# Altium PCB LimePSB-RPCM_1v2.PcbDoc (part 6 of 10) (continued)
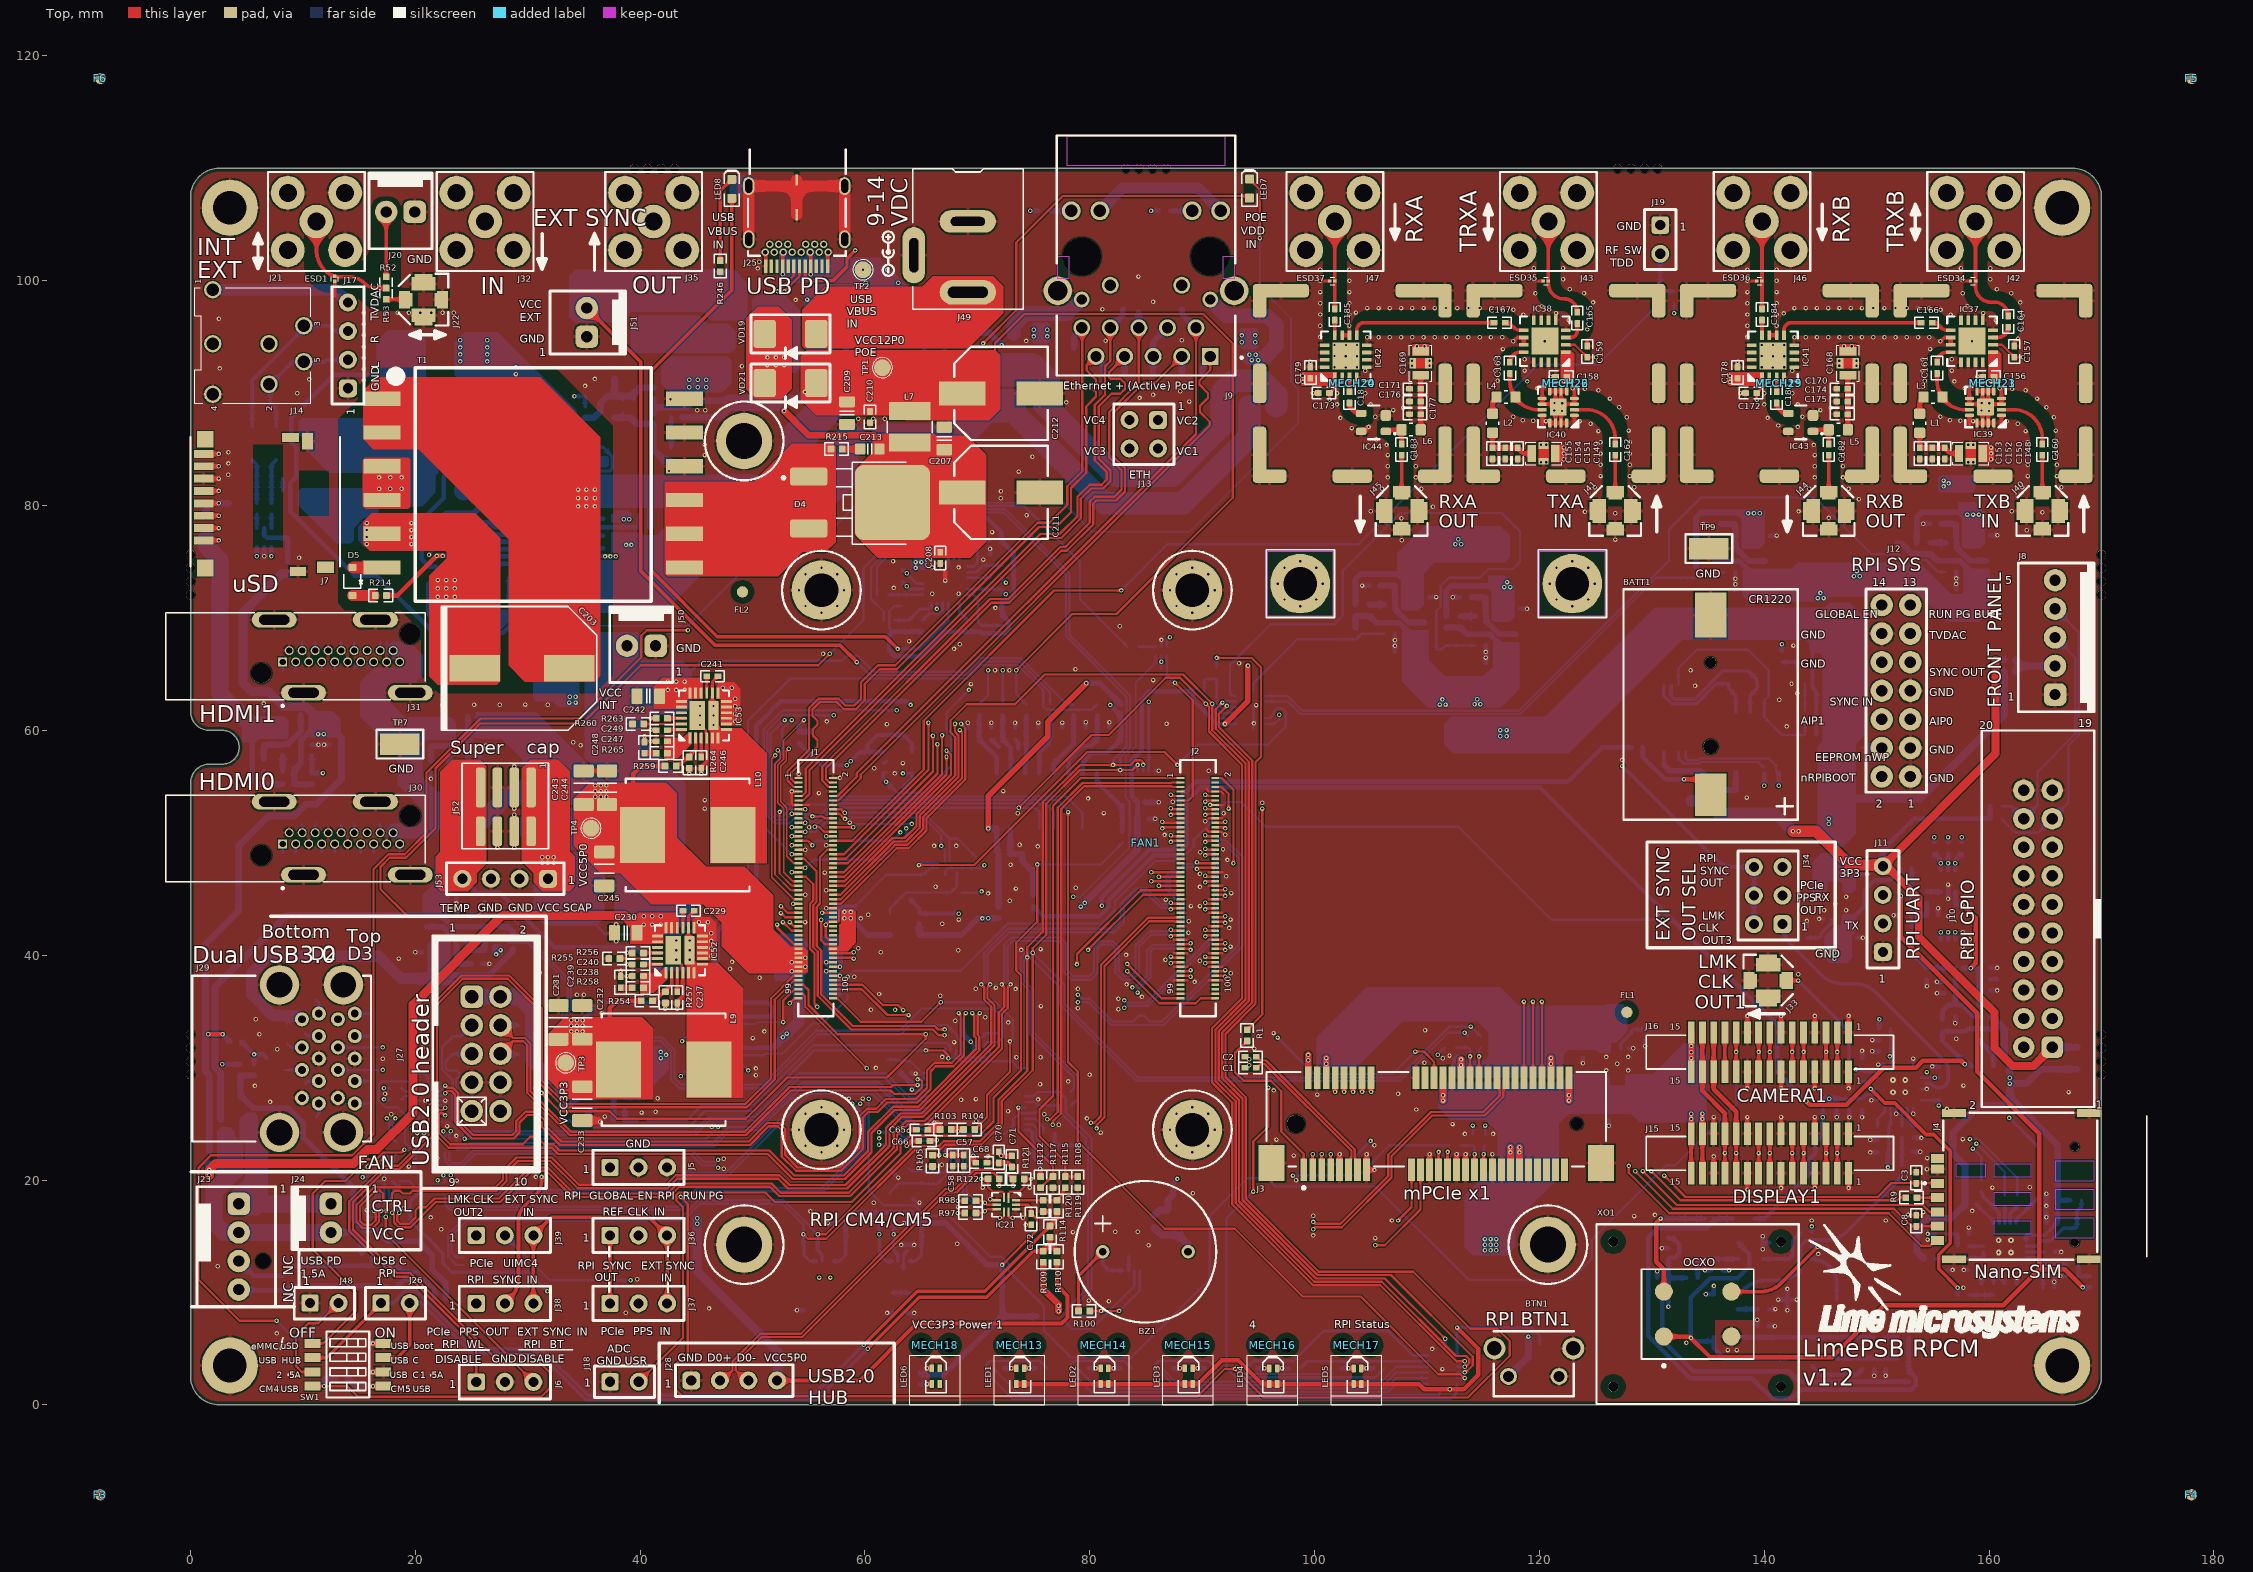
[diagram p0: Top view]
## Nets (pads, with @x,y where several pads share a name; then routed paths per layer and width w, separated by ;. In a path a pad name is that pad's centre, name@x,y a point inside that pad or via, vN(x,y) a via of type N, cw(c..) or ccw(c..) an arc to the next point about the centre after c; other vN are vias at no path point) (continued)
  Top w0.2: R1.2@94,32.375 92.925,31.3 92.925,29.6 93.7,28.825 96.091,28.825 97.025,27.891 97.025,24.325 99.025,22.325 J3.1@99.025,20.9
NetJ9_16: J9.16 R29.1 | length 2
  Bottom w0.4: R29.1@87.15,106.225 J9.16@89.1,106.225
NetJ9_18: J9.18 R30.1 | length 2
  Bottom w0.4: R30.1@76.4,106.225 J9.18@78.36,106.225
NetJ23_3: J23.3 R69.2 R70.1 | length 14
  Bottom w0.4: J23.3@4.287,12.795 5.582,11.5 8.15,11.5 9.025,12.375 R70.1@16.25,12.375 R69.2@16.25,13.475
NetJ23_4: J23.4 R73.1 | length 13.4
  Bottom w0.4: J23.4@4.287,10.252 4.339,10.2 8.475,10.2 8.875,10.6 R73.1@17.45,10.6
NetJ33_1: J33.1 R148.1 | length 11.7
  Top w0.325: J33.1@142.05,37.75 v1(143.025,37.75)
  Bottom w0.325: v1(143.025,37.75) 146.824,33.951 cw(c145.01,32.137) 147.575,32.137 R148.1@147.575,28.75
NetL1_2: L1.2 L3.1 | length 1.6
  Top w0.4: L1.2@153.825,88.175 153.825,89.25 154.175,89.6 L3.1@154.175,89.65
NetL2_2: L2.2 L4.1 | length 1.6
  Top w0.4: L2.2@115.825,88.175 115.825,89.25 116.175,89.6 L4.1@116.175,89.65
NetLED1_3: LED1.3 R66.2 | length 1.1
  Top w0.4: v1(73.01,3.253) LED1.3@73.46,3.253
  Bottom w0.4: R66.2@72.41,3.253 v1(73.01,3.253)
NetLED1_4: LED1.4 R67.2 | length 1.1
  Top w0.4: LED1.4@74.16,3.253 v1(74.61,3.253)
  Bottom w0.4: v1(74.61,3.253) R67.2@75.21,3.253
NetLED2_3: LED2.3 R68.2 | length 1.1
  Top w0.4: v1(80.51,3.253) LED2.3@80.96,3.253
  Bottom w0.4: R68.2@79.91,3.253 v1(80.51,3.253)
NetLED2_4: LED2.4 R71.2 | length 1.1
  Top w0.4: LED2.4@81.66,3.253 v1(82.11,3.253)
  Bottom w0.4: v1(82.11,3.253) R71.2@82.71,3.253
NetLED3_3: LED3.3 R74.2 | length 1.1
  Top w0.4: v1(88.01,3.253) LED3.3@88.46,3.253
  Bottom w0.4: R74.2@87.41,3.253 v1(88.01,3.253)
NetLED3_4: LED3.4 R76.2 | length 1.1
  Top w0.4: LED3.4@89.16,3.253 v1(89.61,3.253)
  Bottom w0.4: v1(89.61,3.253) R76.2@90.21,3.253
NetLED4_3: LED4.3 R79.2 | length 1.1
  Top w0.4: v1(95.51,3.25) LED4.3@95.96,3.25
  Bottom w0.4: R79.2@94.91,3.25 v1(95.51,3.25)
NetLED4_4: LED4.4 R83.2 | length 1.1
  Top w0.4: LED4.4@96.66,3.25 v1(97.11,3.25)
  Bottom w0.4: v1(97.11,3.25) R83.2@97.71,3.25
NetLED5_3: LED5.3 R87.2 | length 1.1
  Top w0.4: v1(103.01,3.25) LED5.3@103.46,3.25
  Bottom w0.4: R87.2@102.41,3.25 v1(103.01,3.25)
NetLED5_4: LED5.4 R89.2 | length 1.1
  Top w0.4: LED5.4@104.16,3.25 v1(104.61,3.25)
  Bottom w0.4: v1(104.61,3.25) R89.2@105.21,3.25
NetLED6_1: LED6.1 R95.1 | length 1.1
  Top w0.4: v1(65.51,1.853) LED6.1@65.96,1.853
  Bottom w0.4: R95.1@64.91,1.853 v1(65.51,1.853)
NetLED7_K: LED7.K R232.1 | length 106.6
  Top w0.2: LED7.K@94.2,109.05 95.125,108.125 v1(95.125,103.8)
  Bottom w0.15: R232.1@26,70.45 26.5,70.95 30.125,70.95 31.775,69.3 44.225,69.3 49.525,74.6 53.75,74.6 59.4,80.25 77.625,80.25 80.2,77.675 88.875,77.675 98.55,87.35 98.55,90.35 97.9,91 97.9,96.65 95.125,99.425 v1(95.125,103.8)
NetLED8_K: LED8.K R246.1 | length 7.6
  Top w0.3: R246.1@47.125,101.8 47.125,108 LED8.K@48.15,109.025
NetR84_2: R84.2 R86.2 R88.2 VT2.G | length 32.6
  Bottom w0.5: R84.2@5.65,29.3 R86.2@4.425,29.3 VT2.G@4.425,27.75 4.425,27.55 5.575,26.4 8.71,26.4 10.01,25.1 10.01,23.815 14.5,19.325 14.5,16.55 15.5,15.55 16.525,15.55 17.525,14.55 20.254,14.55 21.5,13.304 21.5,12.05 22.7,10.85 R88.2@22.7,9.5
NetR145_2: R145.2 XO1.3 | length 9.8
  Top w0.325: XO1.3@137.075,10.075 139.698,10.075 ccw(c139.698,12.615) 141.494,10.819 v1(144.75,14.075)
  Bottom w0.325: R145.2@144.2,14.075 v1(144.75,14.075)
NetR150_1: R150.1 XO2.6 | length 5.1
  Bottom w0.4: XO2.6@144.264,3.415 144.514,3.165 144.514,2.886 144.725,2.675 148.25,2.675 R150.1@148.74,3.165
NetR151_2: R151.2 XO2.4 XO3.3 | length 4.9
  Bottom w0.325: R151.2@144.2,12.975 cw(c144.2,10.711) 146.464,10.711 XO2.4@146.464,9.365
NetR154_2: R154.2 R156.1 | length 1.1
  Bottom w0.4: R156.1@150.7,6 R154.2@151.825,6
NetR155_1: R155.1 XO4.6 | length 6
  Bottom w0.325: XO4.6@137.825,9.85 138.306,10.331 cw(c140.102,8.535) 140.102,11.075 141.248,11.075 ccw(c141.248,13.615) 143.044,11.819 R155.1@143.2,11.975
NetR158_2: R158.2 R160.1 XO5.3 | length 5.1
  Bottom w0.325: XO5.3@139.875,12.975 R158.2@142.2,12.975 142.55,13.325 142.55,14.625 R160.1@143.225,15.3
NetR229_1: R229.1 R231.2 VT3.1 VT3.2 VT3.3 | length 44.7
  Bottom w0.4: 17.425,91.65 12.775,91.65 8.95,87.825 8.95,85.617 9.4,85.167 9.4,82.533 8.875,82.008 8.875,79.5 14.6,73.775 16.55,73.775 21.65,68.675 27.8,68.675 R229.1@29.575,70.45
PCIE_CLK_N: C1.1 J3.11 | length 13.6
  Top w0.2: C1.1@94.8,29.975 94.85,29.975 95.2,30.325 95.551,30.325 103.275,22.601 103.275,22.074 103.225,22.024 103.225,21.1 J3.11@103.025,20.9
PCIE_CLK_P: C2.1 J3.13 | length 14.1
  Top w0.2: C2.1@94.8,30.975 94.85,30.975 95.2,30.625 95.675,30.625 103.575,22.725 103.575,22.074 103.625,22.024 103.625,21.1 J3.13@103.825,20.9
PCIE_COEX1: J3.3 R153.2 | length 2.4
  Top w0.2: J3.3@99.825,20.9 v1(99.825,22.3)
  Bottom w0.2: R153.2@99.7,21.4 99.825,21.525 v1(99.825,22.3)
PCIE_COEX2: J3.5 R2.1 R3.1 | length 3.5
  Top w0.2: J3.5@100.625,20.9 v1(100.625,22.3)
  Bottom w0.2: v1(100.625,22.3) 100.625,21.525 R2.1@100.75,21.4 ; R2.1@100.8,21.4 R3.1@101.9,21.4
PCIE_LED_WLAN: J1.41 J3.44 | length 85.4
  Top w0.2: J1.41@54.085,47.775 v1(54.695,47.775) ; J3.44@119.425,29.1 v1(119.425,35.875)
  L3 w0.1: v1(63.675,51.275) 64.25,51.275 70.45,57.475 97.3,57.475 118.525,36.25 119.05,36.25 v1(119.425,35.875)
  Bottom w0.2: v1(54.695,47.775) 55.42,48.5 61.45,48.5 63.675,50.725 v1(63.675,51.275)
PCIE_LED_WPAN: J1.24 J3.46 | length 81.5
  Top w0.2: J1.24@57.165,51.375 v1(58.95,51.375) ; J3.46@120.225,29.1 v1(120.225,35.875)
  L3 w0.1: v1(64.15,51.675) 70.15,57.675 97.383,57.675 118.608,36.45 119.65,36.45 v1(120.225,35.875)
  Bottom w0.2: v1(58.95,51.375) 59.25,51.675 v1(64.15,51.675)
PCIE_LED_WWAN: J1.29 J3.42 | length 83.5
  Top w0.2: J1.29@54.085,50.175 54.925,50.175 v1(55.325,49.775) ; J3.42@118.625,29.1 v1(118.625,35.875)
  L3 w0.1: v1(63.15,50.925) 64.325,50.925 70.675,57.275 97.217,57.275 118.617,35.875 v1(118.625,35.875)
  Bottom w0.2: v1(55.325,49.775) 55.725,50.175 62.4,50.175 v1(63.15,50.925)
PCIE_PET0_N: J3.31 R4.1 R5.1 | length 3.3
  Top w0.2: J3.31@114.225,20.9 v1(114.225,22.3)
  Bottom w0.2: R4.1@112.975,23.075 R5.1@114.075,23.075 114.225,22.925 v1(114.225,22.3)
PCIE_PET0_P: J3.33 R7.1 | length 2.2
  Top w0.2: J3.33@115.025,20.9 v1(115.025,22.3)
  Bottom w0.2: v1(115.025,22.3) 115.025,22.925 R7.1@115.175,23.075
PCIE_PPS_IN: J37.2 R2.2 R4.2 R153.1 | length 78.8
  L4 w0.1: J37.2@39.859,9.025 40.39,8.494 ccw(c42.186,10.29) 42.186,7.75 84.373,7.75 ccw(c84.373,10.29) 86.169,8.494 v1(98.075,20.4)
  Bottom w0.2: v1(98.075,20.4) R153.1@99.7,20.4 R2.2@100.8,20.4 103.95,20.4 106.65,23.1 R4.2@111.975,23.1
PCIE_PPS_OUT: J34.3 J38.1 R3.2 R8.2 | length 136.7
  L4 w0.1: J38.1@25.419,9.025 26.4,8.044 ccw(c28.196,9.84) 27.023,7.587 ccw(c28.196,9.84) 28.196,7.3 87.748,7.3 ccw(c87.748,9.84) 89.544,8.044 109.531,28.031 ccw(c107.735,29.827) 110.275,29.827 110.275,30 cw(c111.422,30) 110.611,30.811 v1(110.95,31.15) ; v1(110.95,31.15) cw(c112.519,29.581) 112.519,31.8 124.148,31.8 ccw(c124.148,34.34) 125.944,32.544 136.631,43.231 cw(c138.427,41.435) 138.427,43.975 139.241,43.975 ccw(c139.241,46.515) 141.037,44.719 J34.3@141.621,45.304
  Bottom w0.2: R3.2@102.9,21.4 v1(104.975,23.475) ; v1@110.925,31.125 R8.2@111.575,31.775
PCIE_SMB_CLK: J3.30 R8.1 R10.1 | length 3.8
  Top w0.2: J3.30@113.825,29.1 v1(113.825,31)
  Bottom w0.2: R8.1@112.575,31.775 R10.1@113.675,31.775 113.825,31.625 v1(113.825,31)
PCIE_SMB_DATA: J3.32 R11.1 | length 2.7
  Top w0.2: J3.32@114.625,29.1 v1(114.625,31)
  Bottom w0.2: v1(114.625,31) 114.625,31.625 R11.1@114.775,31.775
PCIE_UIM8: J3.17 R39.2 | length 180.8
  Top w0.2: v1(107.425,16.4) 108.625,17.6 J3.17@108.625,20.9
  L3 w0.1: v1(107.425,16.4) 116.233,16.4 117.85,14.783 117.85,12.658 119.358,11.15 125.725,11.15 127.325,12.75 153.375,12.75 155.75,15.125 155.75,17.4 156.275,17.925 156.289,17.925 169,30.636 169,77.725 169.4,78.125 169.4,90.425 165.475,94.35 159.525,94.35 158.6,95.275 157.675,95.275 155.925,97.025 142.625,97.025 142.2,97.45 132.315,97.45 v1(131.975,97.11)
  Bottom w0.2: v1(131.975,97.11) R39.2@131.975,98.075
PCIE_UIMC4: J3.19 J39.2 | length 90.1
  Top w0.2: v1(105.4,14.2) 106.25,14.2 109.425,17.375 J3.19@109.425,20.9
  L3 w0.1: v1(39.15,11.075) 39.45,10.775 53.992,10.775 56.742,13.525 74.075,13.525 75.475,14.925 90.175,14.925 90.9,14.2 v1(105.4,14.2)
  Bottom w0.2: J39.2@27.959,15.075 31.959,11.075 v1(39.15,11.075)
PCIE_USB_N: J3.36 R98.2 R102.1 | length 81.1
  Top w0.2: v1(68.25,18.15) R98.2@68.875,18.15 ; v1(99.875,16.275) 100.05,16.1 102.3,16.1 106.55,20.35 106.55,22.249 110.351,26.05 115,26.05 116.475,27.525 116.475,27.926 116.425,27.976 116.425,28.9 J3.36@116.225,29.1
  L3 w0.1: v1(68.25,18.15) 67.825,18.15 67.65,17.975 67.65,17.55 67.45,17.35 67.05,17.35 v1(61.25,23.15) 60.875,23.525 60.875,24.375 61.25,24.75 61.467,24.75 62.492,25.775 74.675,25.775 75.325,26.425 76.65,26.425 86.35,16.725 96.983,16.725 97.658,16.05 99.65,16.05 v1(99.875,16.275)
  Bottom w0.2: v1(61.25,23.15) R102.1@61.975,23.15
PCIE_USB_P: J3.38 R97.2 R99.1 | length 81.6
  Top w0.2: v1(68.252,17.063) R97.2@68.877,17.063 ; v1(99.875,15.625) 100.05,15.8 102.424,15.8 106.85,20.226 106.85,22.125 110.475,25.75 115.124,25.75 116.775,27.401 116.775,27.926 116.825,27.976 116.825,28.9 J3.38@117.025,29.1
  L3 w0.1: v1(68.252,17.063) 68.258,17.063 68.65,17.455 68.65,18.245 68.395,18.5 66.225,18.5 61.625,23.1 61.625,23.875 v1(61.25,24.25) 62.575,25.575 74.758,25.575 75.408,26.225 76.567,26.225 86.267,16.525 96.9,16.525 97.575,15.85 99.65,15.85 v1(99.875,15.625)
  Bottom w0.2: v1(61.25,24.25) R99.1@61.975,24.25
POE_COMP: AT1.4 IC49.18 R217.1 R224.1 | length 19.1
  Bottom w0.3: IC49.18@28.446,78.075 29.15,78.075 29.525,78.45 29.525,82.3 30.3,83.075 37.275,83.075 37.525,83.325 37.525,84.36 36.7,85.185 AT1.4@36.45,85.185
  Bottom w0.4: R224.1@25.45,78.5 26.6,78.5 R217.1@26.675,78.425 27.025,78.075 IC49.18@28.446,78.075
POE_IN+: C202.2 C203.1 C204.2 D2.A FR11.2 IC49.1 R221.2 R222.2 T1.1 T1.2 | length 31.7
  Bottom w0.6: R221.2@40.925,78.075 R222.2@40.925,79.175 40.925,80.7
  Bottom w3: 34.7,81.275 37.3,81.275 38.55,81.275 40.925,81.275 43.325,81.275 46.55,81.275 51.575,81.275 54.2,83.9 54.2,86.3 57.7,89.8 FR11.2@58.8,89.8
  other v1: 34.475,79.925 35.225,79.925 35.975,79.925 34.475,80.675 35.225,80.675 35.975,80.675 34.475,81.425 35.225,81.425 35.975,81.425
POE_NCLASS: IC49.13 R232.2 | length 4.9
  Bottom w0.4: R232.2@26,71.45 26.675,72.125 26.675,73.875 27.625,74.825 IC49.13@28.446,74.825
POE_VDDH: D5.A T1.6 | length 3.4
  Top w1: D5.A@14.4,74.5 T1.6@17.79,74.5
POE_VDDL: C214.2 IC49.17 LED7.A R217.2 | length 120.1
  Top w0.2: v1(70.5,94.425) 73.45,97.375 73.45,103.4 77.6,107.55 94,107.55 LED7.A@94.2,107.35
  L3 w0.1: v1(21.225,75.625) 22.125,74.725 30.675,74.725 34.475,70.925 52.475,70.925 53.9,69.5 66.2,69.5 67.013,70.313 67.013,71.062 66.55,71.525 63.825,71.525 62.975,72.375 62.975,82.45 70.5,89.975 v1(70.5,94.425)
  Bottom w0.15: v1(21.225,75.625) 21.875,76.275 22.65,76.275 C214.2@23.65,77.275 ; C214.2@23.625,77.4 23.625,77.35 C214.2@23.8,77.175
  Bottom w0.4: C214.2@23.625,77.4 23.65,77.425 IC49.17@28.446,77.425
PTP_SYNC_SEL: IC17.6 IC35.10 R183.1 | length 44.2
  Top w0.2: v1(64.8,48.025) 69.725,48.025 79.775,58.075 86.65,58.075 v1(87.8,56.925)
  Bottom w0.2: v1(64.8,48.025) 64.925,48.15 IC35.10@66.473,48.15 ; v1(87.8,56.925) 89.625,58.75 95.825,58.75 97.425,60.35 97.425,61.7 97.15,61.975 96.625,61.975 96.375,61.725 96.375,61.45 96.02,61.095 95.639,61.095 IC17.6@95.614,61.07
REF_ADF: C127.2 IC31.3 | length 23.8
  Top w0.325: v1(149.475,28.1) 150.725,26.85 151.6,26.85 154.4,24.05 155.075,24.05 156.55,22.575 156.55,14.386 155.525,13.361 155.525,12.1 v1(157.2,10.425)
  Bottom w0.25: v1(149.475,28.1) IC31.3@150,28.1
  Bottom w0.325: C127.2@157.2,9.775 v1(157.2,10.425)
REF_CLK_IN: C138.2 J36.2 R160.2 | length 120.4
  L3 w0.1: J36.2@39.859,15.075 42.89,12.044 ccw(c44.686,13.84) 44.686,11.3 51.673,11.3 ccw(c51.673,13.84) 53.469,12.044 54.556,13.131 cw(c56.352,11.335) 56.352,13.875 71.773,13.875 ccw(c71.773,16.415) 73.569,14.619 74.156,15.206 cw(c75.952,13.41) 75.952,15.95 95.578,15.95 cw(c95.578,14.328) 96.725,15.475 96.799,15.401 ccw(c98.432,17.034) 98.432,14.725 102.198,14.725 ccw(c102.198,17.265) 103.994,15.469 104.774,16.249 cw(c106.588,14.435) 106.588,17 123.923,17 126.718,17 cw(c126.718,15.293) 127.925,16.5 ccw(c129.434,18.009) 129.434,15.875 v1(144.225,15.875) 144.601,15.875 cw(c144.601,14.851) 145.325,15.575 ccw(c146.23,16.48) 146.23,15.2 v1(154.525,15.2)
  Bottom w0.325: R160.2@144.225,15.3 v1(144.225,15.875) ; v1(154.525,15.2) C138.2@155.2,15.2
RF_SW_TDD: C157.2 C159.2 C172.1 C173.1 IC37.2 IC38.2 IC41.2 IC42.2 J19.2 R39.1 R40.1 R42.1 | length 95.4
  Top w0.2: v1(101.325,89.4) 101.325,89.99 102.385,91.05 102.385,91.35 IC42.2@102.45,91.415 ; IC38.2@122.35,94.3 123.15,94.3 C159.2@124.25,93.2 v1(125.05,93.2) ; v1(139.325,89.4) 139.325,89.99 140.385,91.05 140.385,91.35 IC41.2@140.45,91.415 ; IC37.2@160.35,94.3 161.15,94.3 C157.2@162.25,93.2 v1(163.05,93.2)
  L3 w0.1: v1(101.325,89.4) 101.325,89.975 102.225,90.875 102.225,92.45 102.55,92.775 105.725,92.775 107.55,94.6 116.975,94.6 117.425,94.15 124.1,94.15 v1(125.05,93.2) 130.75,93.2 ; J19.2@130.75,102.405 130.75,93.2 ; v1(139.325,89.4) 139.325,90.225 ; v1(163.05,93.2) 162.175,94.075 155.475,94.075 154.975,94.575 145.782,94.575 144.007,92.8 141.55,92.8 141.275,92.525 141.275,92.175 139.325,90.225 ; 130.75,93.2 131.425,92.525 137.025,92.525 139.325,90.225
  Bottom w0.3: J19.2@130.75,102.405 R42.1@130.75,100.45 R40.1@130.75,99.075 R39.1@131.975,99.075
RPI_AIP0: J1.96 J12.5 | length 165.2
  Top w0.2: J1.96@57.165,36.975 59.7,36.975 62,34.675 v1(63.875,34.675)
  L3 w0.1: v1(63.875,34.675) 64.8,33.75 65.675,33.75 69.925,29.5 76.524,29.5 77.774,28.25 78.774,28.25 88.949,18.075 126.734,18.075 139.726,18.075 140.576,18.925 155.875,18.925 167.975,31.025 167.975,53.15 167.975,54.55 161.543,60.982 J12.5@152.996,60.982
RPI_AIP1: J1.94 J12.6 | length 169.8
  Top w0.2: J1.94@57.165,37.375 59.775,37.375 61.575,35.575 62.946,35.575 v1(63.4,35.121)
  L3 w0.1: v1(63.4,35.121) 63.4,34.625 64.55,33.475 65.667,33.475 69.842,29.3 76.441,29.3 77.691,28.05 78.691,28.05 88.866,17.875 139.809,17.875 140.659,18.725 155.958,18.725 168.175,30.942 168.175,53.45 168.175,54.633 161.608,61.2 154.417,61.2 153.467,62.15 151.621,62.15 J12.6@150.454,60.982
RPI_BT_nDISABLE: J1.91 J6.3 | length 95.9
  Top w0.2: J6.3@30.499,2.038 28.837,3.7 27.575,3.7 19.539,11.736 18.314,11.736 14.45,15.6 14.45,18.026 17.399,20.975 18.6,20.975 21.475,23.85 21.475,26.475 21.925,26.925 21.925,35.6 24.225,37.9 28.226,37.9 30.95,35.176 30.95,28.725 33.2,26.475 49.5,26.475 51.975,28.95 51.975,36.05 53.7,37.775 J1.91@54.085,37.775
RPI_BTN1: BTN1.1 C25.1 J1.45 R27.2 | length 144.7
  Top w0.2: J1.45@54.085,46.975 54.724,46.975 55.395,46.304 55.395,44.871 55.1,44.576 55.1,40.576 55.5,40.176 55.5,35.675 v1(55.75,35.425)
  L3 w0.1: v1(55.75,35.425) 54.825,34.5 51.35,34.5 49.425,32.575 49.425,32.3 44.2,27.075 44.2,18.175 42.3,16.275 39.6,16.275 38.6,15.275 38.6,10.98 39.08,10.5 54,10.5 56.825,13.325 74.158,13.325 75.558,14.725 90,14.725 91.15,13.575 109.25,13.575 111.85,16.175 116.175,16.175 117.65,14.7 117.65,12.575 119.025,11.2 v1(119.025,6.075)
  Bottom w0.6: BTN1.1@117.25,2.53 C25.1@119.025,4.305 R27.2@119.025,5.355 v1(119.025,6.075)
RPI_BTN2: C12.1 J1.47 J8.5 R13.2 | length 142.4
  Top w0.15: J1.47@54.085,46.575 53.575,46.575 52.775,47.375 52.775,53.046 52.25,53.571 52.25,56.925 52.75,57.425 52.75,59.1 v1(54.575,60.925)
  L3 w0.1: v1(54.575,60.925) 58.625,64.975 98.375,64.975 107.125,56.225 127.725,56.225 134.1,62.6 138.95,62.6 142,65.65 143.55,65.65 147.704,69.804 153.579,69.804 154.5,70.725 157.725,70.725 160.361,73.361 J8.5@165.875,73.361
  Bottom w0.4: R13.2@54.1,59.9 54.1,60.45 v1(54.575,60.925)
  Bottom w0.5: R13.2@54.1,59.9 C12.1@55.2,59.9
RPI_EEPROM_nWP: J1.20 J12.4 R32.2 | length 123.5
  Top w0.2: v1(55.325,52.35) 56.25,52.35 56.425,52.175 J1.20@57.165,52.175
  L3 w0.1: v1(57.225,61.35) 59.125,63.25 97.867,63.25 106.142,54.975 128.683,54.975 134.783,61.075 147.818,61.075 J12.4@150.454,58.439
  Bottom w0.2: v1(55.325,52.35) 55.308,52.35 55.108,52.55 54.084,52.55 53.284,51.75 51.976,51.75 51.3,52.426 51.3,59.976 52.674,61.35 v1(57.225,61.35) ; R32.2@148.65,58.45 J12.4@150.443,58.45
RPI_GLOBAL_EN: J1.99 J5.1 J12.14 R93.1 | length 235.3
  Top w0.2: v1(53.3,35.725) 53.75,36.175 J1.99@54.085,36.175
  L3 w0.1: J5.1@37.319,21.125 37.319,27.744 44.825,35.25 52.825,35.25 v1(53.3,35.725) 53.525,35.95 55.775,35.95 56.212,35.512 56.212,28.938 58.85,26.3 60.425,26.3 61.2,27.075 65.625,27.075 67.45,28.9 76.275,28.9 77.525,27.65 78.525,27.65 88.7,17.475 139.975,17.475 140.825,18.325 156.124,18.325 168.575,30.776 168.575,72.475 166.539,74.511 165.294,74.511 164.358,73.575 160.292,73.575 157.642,70.925 154.417,70.925 153.496,70.004 151.604,70.004 J12.14@150.454,71.154 147.479,71.154 144.95,68.625 142.525,68.625 v1(141.575,67.675)
  Bottom w0.4: R93.1@141.575,67.075 v1(141.575,67.675)
RPI_GPIO2: J1.58 J10.15 | length 128.3
  Top w0.2: J1.58@57.165,44.575 57.875,44.575 62.825,49.525 63.898,49.525 65.475,51.102 65.475,52.175 68.925,55.625 68.925,60.225 v1(68.55,60.6)
  L3 w0.1: v1(68.55,60.6) 69.025,61.075 94.792,61.075 95.492,60.375 99.075,60.375 105.529,53.921 133.998,53.921 137.801,57.725 137.851,57.775 144.201,57.775 150.426,51.55 155.892,51.55 159.533,51.55 162.658,48.425 164.445,48.425 J10.15@165.62,49.6
RPI_GPIO4: J1.54 J10.16 | length 124.4
  Top w0.2: J1.54@57.165,45.375 57.826,45.375 62.576,50.125 63.649,50.125 64.875,51.351 64.875,52.424 68.325,55.874 68.325,59.55 68.019,59.856 v1(68.019,60.6)
  L3 w0.1: v1(68.019,60.6) 68.719,61.3 94.85,61.3 95.575,60.575 99.158,60.575 105.611,54.121 133.915,54.121 137.601,57.808 137.769,57.975 144.284,57.975 150.509,51.75 159.65,51.75 161.8,49.6 J10.16@163.08,49.6
RPI_GPIO22: J1.46 J10.3 | length 131.3
  Top w0.2: J1.46@57.165,46.975 58.151,46.975 67.252,56.076 v1(67.252,57.65)
  L3 w0.1: v1(67.252,57.65) 67.502,57.9 98.95,57.9 104.75,52.1 134.722,52.1 138.597,55.975 143.169,55.975 148.15,50.994 148.15,46.825 149.175,45.8 149.175,42.442 150.092,41.525 151.288,41.525 153.438,39.375 156.017,39.375 159.867,35.525 164.455,35.525 J10.3@165.62,34.36
RPI_GPIO27: J1.48 J10.5 | length 132.5
  Top w0.2: J1.48@57.165,46.575 58.175,46.575 67.652,56.052 67.652,57.823 v1@67.275,58.2
  L3 w0.1: v1(67.252,58.2) 98.933,58.2 104.833,52.3 134.639,52.3 138.464,56.125 138.514,56.175 143.251,56.175 148.35,51.076 148.35,46.908 149.375,45.883 149.375,42.525 150.175,41.725 151.371,41.725 153.521,39.575 156.1,39.575 159.925,35.75 164.47,35.75 J10.5@165.62,36.9
RPI_I2C0_SCL: IC9.2 IC10.6 IC11.6 IC12.2 IC13.6 IC14.6 IC16.6 IC18.6 J1.80 J15.11 J16.13 R10.2 R44.1 R124.2 R251.2 | length 330.8
  Top w0.2: v1(55.79,15.17) 56.52,15.17 64.375,23.025 66.576,23.025 67.001,23.45 70.226,23.45 71.875,25.099 71.875,27.149 74.425,29.699 v1(74.425,39.8) 74.425,40.7 75.825,42.1 75.825,53.6 79.15,56.925 v1(82.075,56.925) 83.6,56.925 84.025,57.35 84.55,57.35 84.75,57.15 v1(84.75,56.925) ; J1.80@57.165,40.175 58.846,40.175 58.946,40.275 v1(59,40.275)
  Top w0.325: J15.11@137.5,20.625 v1(137.5,22.4) J15.11@137.5,24.125
  Top w0.4: J16.13@135.5,33.125 J16.13@135.5,29.625 135.5,28.075 137.5,26.075 J15.11@137.5,24.125
  L3 w0.1: v1(55.79,15.17) 60.72,15.17 61.07,15.52 62.19,15.52 v1(62.54,15.17) ; v1(59,40.275) 59.475,39.8 v1(74.425,39.8) ; v1(113.337,33.113) 118.25,28.2 126.1,28.2 132.725,21.575 136.675,21.575 v1(137.5,22.4) 144.825,29.725 146.033,29.725 147.3,30.992 147.3,33.05 144.5,35.85 144.5,52.45 141.515,55.435 140.36,55.435 v1(140.01,55.085)
  Bottom w0.2: IC12.2@24.3,12.45 23.65,12.45 22.925,13.175 22.925,15.175 24.45,16.7 43.699,16.7 45.199,18.2 52.76,18.2 v1(55.79,15.17) ; R251.2@61.066,72.07 61.066,74.592 65.849,79.375 72.35,79.375 77.875,73.85 77.875,68.4 83.275,63 83.275,58.574 82.075,57.374 v1(82.075,56.925) ; R124.2@78.35,26.625 78.9,27.175 78.9,29.224 74.975,33.149 74.975,36.924 74.175,37.724 74.175,39.55 v1(74.425,39.8) 74.7,39.8 77.367,37.133 77.367,35.583 84.125,28.825 90.701,28.825 107.599,28.825 111.887,33.113 v1(113.337,33.113) R10.2@113.675,32.775 ; IC18.6@132.375,58.1 132.375,57.5 132.825,57.05 134.2,57.05 134.35,57.2 139.45,57.2 IC16.6@139.95,56.7
  Bottom w0.25: IC9.2@84.75,56.4 v1(84.75,56.925)
  Bottom w0.3: IC13.6@55.79,14.225 55.79,13.734 56.175,13.349 56.175,12.875 IC14.6@56.175,12.775 ; R44.1@62.54,16.115 v1(62.54,15.17) IC10.6@62.54,14.225 62.54,13.734 62.925,13.349 IC11.6@62.925,12.775
  Bottom w0.4: IC13.6@55.79,14.225 v1(55.79,15.17) ; v1(140.01,55.085) IC16.6@140.01,56.188
RPI_I2C0_SDA: IC9.1 IC10.5 IC11.5 IC12.1 IC13.5 IC14.5 IC16.5 IC18.5 J1.82 J15.12 J16.14 R11.2 R43.1 R123.2 R250.2 | length 334.8
  Top w0.2: v1(54.52,15.17) 54.92,14.77 56.545,14.77 57.663,15.888 64.499,22.725 66.7,22.725 67.125,23.15 70.35,23.15 72.175,24.975 72.175,27.025 74.925,29.775 v1(74.925,40.225) 74.925,40.625 76.125,41.825 76.125,53.476 79.124,56.475 v1(82.712,56.475) 83.8,56.475 v1(84.25,56.925) ; J1.82@57.165,39.775 58.871,39.775 58.946,39.7 v1(59,39.7)
  Top w0.325: J15.12@136.5,20.625 v1(136.5,22.4) J15.12@136.5,24.125
  Top w0.4: J16.14@134.5,33.125 134.5,27.95 136.5,25.95 J15.12@136.5,24.125
  L3 w0.1: v1(54.52,15.17) 54.87,14.82 60.92,14.82 v1(61.27,15.17) ; v1(59,39.7) 59.275,39.425 74.75,39.425 74.925,39.6 v1(74.925,40.225) ; v1(113.9,33.65) 118.85,28.7 126.258,28.7 132.508,22.45 136.45,22.45 v1(136.5,22.4) 144.025,29.925 145.95,29.925 147.1,31.075 147.1,32.967 144.3,35.767 144.3,52.367 141.582,55.085 v1(141.28,55.085)
  Bottom w0.2: IC12.1@24.3,13.1 23.7,13.1 23.225,13.575 23.225,15.051 24.574,16.4 43.824,16.4 45.324,17.9 52.636,17.9 54.52,16.016 v1(54.52,15.17) ; R250.2@61.666,69.795 61.666,70.559 60.525,71.7 60.525,74.475 65.725,79.675 72.474,79.675 78.175,73.974 78.175,68.524 83.575,63.124 83.575,58.45 82.712,57.587 v1(82.712,56.475) ; R123.2@78.275,27.825 78.6,28.15 78.6,29.1 74.675,33.025 74.675,36.8 73.875,37.6 73.875,39.816 74.284,40.225 v1(74.925,40.225) 77.75,37.4 77.75,35.65 84.275,29.125 90.825,29.125 107.475,29.125 112,33.65 v1(113.9,33.65) R11.2@114.775,32.775 ; IC18.5@133.025,58.1 133.025,57.525 133.1,57.45 133.2,57.35 134.076,57.35 134.226,57.5 140.425,57.5 141.055,56.87 141.055,56.413 IC16.5@141.28,56.188
  Bottom w0.25: IC9.1@84.25,56.4 v1(84.25,56.925)
  Bottom w0.3: IC13.5@54.52,14.225 54.577,14.168 54.577,13.323 55.125,12.775 IC14.5@55.675,12.775 ; R43.1@61.27,16.115 v1(61.27,15.17) IC10.5@61.27,14.225 61.327,14.168 61.327,13.323 61.875,12.775 IC11.5@62.425,12.775
  Bottom w0.4: IC13.5@54.52,14.225 v1(54.52,15.17) ; v1(141.28,55.085) IC16.5@141.28,56.188
RPI_ID_SC: J1.35 J8.3 J10.18 R18.1 | length 154
  Top w0.2: v1(53.475,48.975) J1.35@54.085,48.975
  L3 w0.1: v1(62.825,61.8) 94.95,61.8 95.775,60.975 99.336,60.975 105.789,54.522 133.683,54.522 137.536,58.375 144.45,58.375 150.675,52.15 163.07,52.15 J10.18@163.08,52.14
  Bottom w0.2: v1(53.475,48.975) 51,51.45 51,60.1 52.7,61.8 v1(62.825,61.8) ; R18.1@161.1,53.25 161.97,53.25 J10.18@163.08,52.14 164.3,53.36 164.3,56.325 167.675,59.7 167.675,66.475 J8.3@165.875,68.275
RPI_ID_SD: J1.36 J8.4 J10.17 R14.1 | length 150.2
  Top w0.2: J1.36@57.165,48.975 58.125,48.975 65.65,56.5 v1(65.65,60.672)
  L3 w0.1: v1(65.65,60.672) 66.503,61.525 94.942,61.525 95.692,60.775 99.253,60.775 105.706,54.322 133.766,54.322 137.619,58.175 144.367,58.175 150.592,51.95 161.7,51.95 162.61,51.04 164.52,51.04 J10.17@165.62,52.14
  Bottom w0.2: R14.1@161.1,52.15 162.35,50.9 164.38,50.9 J10.17@165.62,52.14 167.075,53.595 167.075,58.676 167.975,59.576 167.975,68.718 J8.4@165.875,70.818
RPI_LED1_G: IC15.1 R66.1 | length 41.2
  Bottom w0.2: R66.1@71.41,3.253 73.813,0.85 111,0.85 111.125,0.975 IC15.1@111.125,1.384
RPI_LED1_R: IC15.15 R67.1 | length 50.4
  Bottom w0.2: R67.1@76.21,3.253 75.56,3.902 71.102,3.902 70.827,3.627 70.827,2.848 73.125,0.55 112.125,0.55 112.675,1.1 IC15.15@112.675,1.884
RPI_LED2_G: IC15.3 R68.1 | length 32.3
  Bottom w0.2: R68.1@78.91,3.253 80.713,1.45 106.33,1.45 107.264,2.384 IC15.3@110.075,2.384
RPI_LED2_R: IC15.2 R71.1 | length 39.2
  Bottom w0.2: R71.1@83.71,3.253 83.06,3.902 78.602,3.902 78.327,3.627 78.327,2.948 80.125,1.15 106.525,1.15 107.259,1.884 IC15.2@110.075,1.884
RPI_LED3_G: IC15.5 R74.1 | length 24.7
  Bottom w0.2: R74.1@86.41,3.253 87.613,2.05 105.94,2.05 107.274,3.384 IC15.5@110.075,3.384
RPI_LED3_R: IC15.4 R76.1 | length 31.6
  Bottom w0.2: R76.1@91.21,3.253 90.56,3.902 86.102,3.902 85.827,3.627 85.827,2.973 86.075,2.725 86.513,2.725 87.488,1.75 106.135,1.75 107.269,2.884 IC15.4@110.075,2.884
RPI_LED4_G: IC15.7 R79.1 | length 18.4
  Bottom w0.25: R79.1@93.91,3.25 94.563,3.902 98.119,3.902 100.791,6.575 106.55,6.575 108.741,4.384 109.533,4.384 IC15.7@110.075,4.384
RPI_LED4_R: IC15.6 R83.1 | length 11.6
  Bottom w0.25: R83.1@98.71,3.25 99.344,3.884 IC15.6@110.075,3.884
RPI_LED_nPWR: IC3.2 J1.95 R12.2 R15.2 | length 12.3
  Top w0.2: v1(52.725,34.05) 52.725,35.975 53.725,36.975 J1.95@54.085,36.975
  Bottom w0.15: IC3.2@49.99,33.89 50.31,33.89 50.47,34.05 v1(52.725,34.05)
  Bottom w0.2: R12.2@45.4,34.775 R15.2@45.4,33.675 46.4,33.675 46.615,33.89 IC3.2@49.99,33.89
RPI_nEXTRST: J1.100 R104.2 | length 29
  Top w0.2: 57.525,36.175 59.625,34.075 65,34.075 v1(66.75,35.825) ; R104.2@69.775,24.5 70.85,25.575 70.85,27.575 72.9,29.625 v1(72.9,32.325)
  Bottom w0.2: v1(66.75,35.825) 71.625,35.825 73.15,34.3 73.15,32.575 v1(72.9,32.325)
RPI_nRPIBOOT: J1.93 J12.2 SW1.1 | length 262.8
  Top w0.2: SW1.1@10.85,5.47 11.82,5.47 14.725,8.375 14.725,9.975 10.875,13.825 10.875,18.8 12,19.925 13.799,19.925 15.724,21.85 16.549,21.85 17.149,22.45 18.775,22.45 v1(19.025,22.7) ; v1(31.225,27.75) 32.85,26.125 37.275,26.125 37.95,25.45 49.4,25.45 53.075,29.125 61.95,29.125 65.4,32.575 v1(65.4,32.975) 57.575,32.975 54.975,35.575 54.975,36.9 54.5,37.375 J1.93@54.085,37.375
  L3 w0.1: v1(65.4,32.975) 65.875,32.975 69.75,29.1 76.358,29.1 77.608,27.85 78.608,27.85 88.783,17.675 126.734,17.675 139.892,17.675 140.742,18.525 156.041,18.525 168.375,30.859 168.375,53.25 168.375,54.716 161.691,61.4 154.5,61.4 153.55,62.35 150.1,62.35 149.225,61.475 149.225,60.3 149.825,59.7 151.175,59.7 151.75,59.125 151.75,57.193 J12.2@150.454,55.896
  L4 w0.1: v1(19.025,22.7) 26.175,22.7 v1(31.225,27.75)
RPI_PCIE_CLK_N: C1.2 J2.12 | length 37.3
  Top w0.2: v1(90.28,53.675) 90.38,53.775 J2.12@91.165,53.775 ; C1.2@93.8,29.975 93.925,29.975 v1@94.19,30.24
  L3 w0.1: v1@90.271,53.675 90.071,53.875 89.858,53.875 89.7,53.717 89.7,51.8 90.05,51.45 90.6,51.45 91.125,50.925 91.125,49.008 97.65,42.483 97.65,28.325 96.75,27.425 95.525,27.425 94.925,28.025 94.925,30 94.71,30.215 v1(94.19,30.215)
RPI_PCIE_CLK_nREQ: J2.2 J3.7 | length 39.5
  Top w0.2: J2.2@91.165,55.775 91.725,55.775 92.775,54.725 v1(92.775,48.175) ; J3.7@101.425,20.9 v1(101.425,22.3)
  L3 w0.1: v1(92.775,48.175) 98,42.95 98,27.55 101.425,24.125 v1(101.425,22.3)
RPI_PCIE_CLK_P: C2.2 J2.10 | length 37.4
  Top w0.2: v1(90.28,54.275) 90.38,54.175 J2.10@91.165,54.175 ; C2.2@93.8,30.975 93.925,30.975 v1@94.19,30.71
  L3 w0.1: v1@90.271,54.275 90.071,54.075 89.775,54.075 89.5,53.8 89.5,51.717 89.967,51.25 90.517,51.25 90.925,50.842 90.925,50.192 90.925,48.925 97.45,42.4 97.45,28.408 96.667,27.625 95.608,27.625 95.125,28.108 95.125,30.1 94.486,30.739 v1@94.194,30.739
  other v1: 94.19,30.735
RPI_PCIE_DET_nWAKE: J2.6 R1.1 | length 26
  Top w0.2: J2.6@91.165,54.975 91.725,54.975 92.35,54.35 v1(92.35,53.05) ; R1.1@94,33.375 95.35,34.725 v1(95.35,53.05)
  L3 w0.1: v1(92.35,53.05) v1(95.35,53.05)